# Altium PCB Booster_Main_Board.PcbDoc (part 10 of 11) (continued)
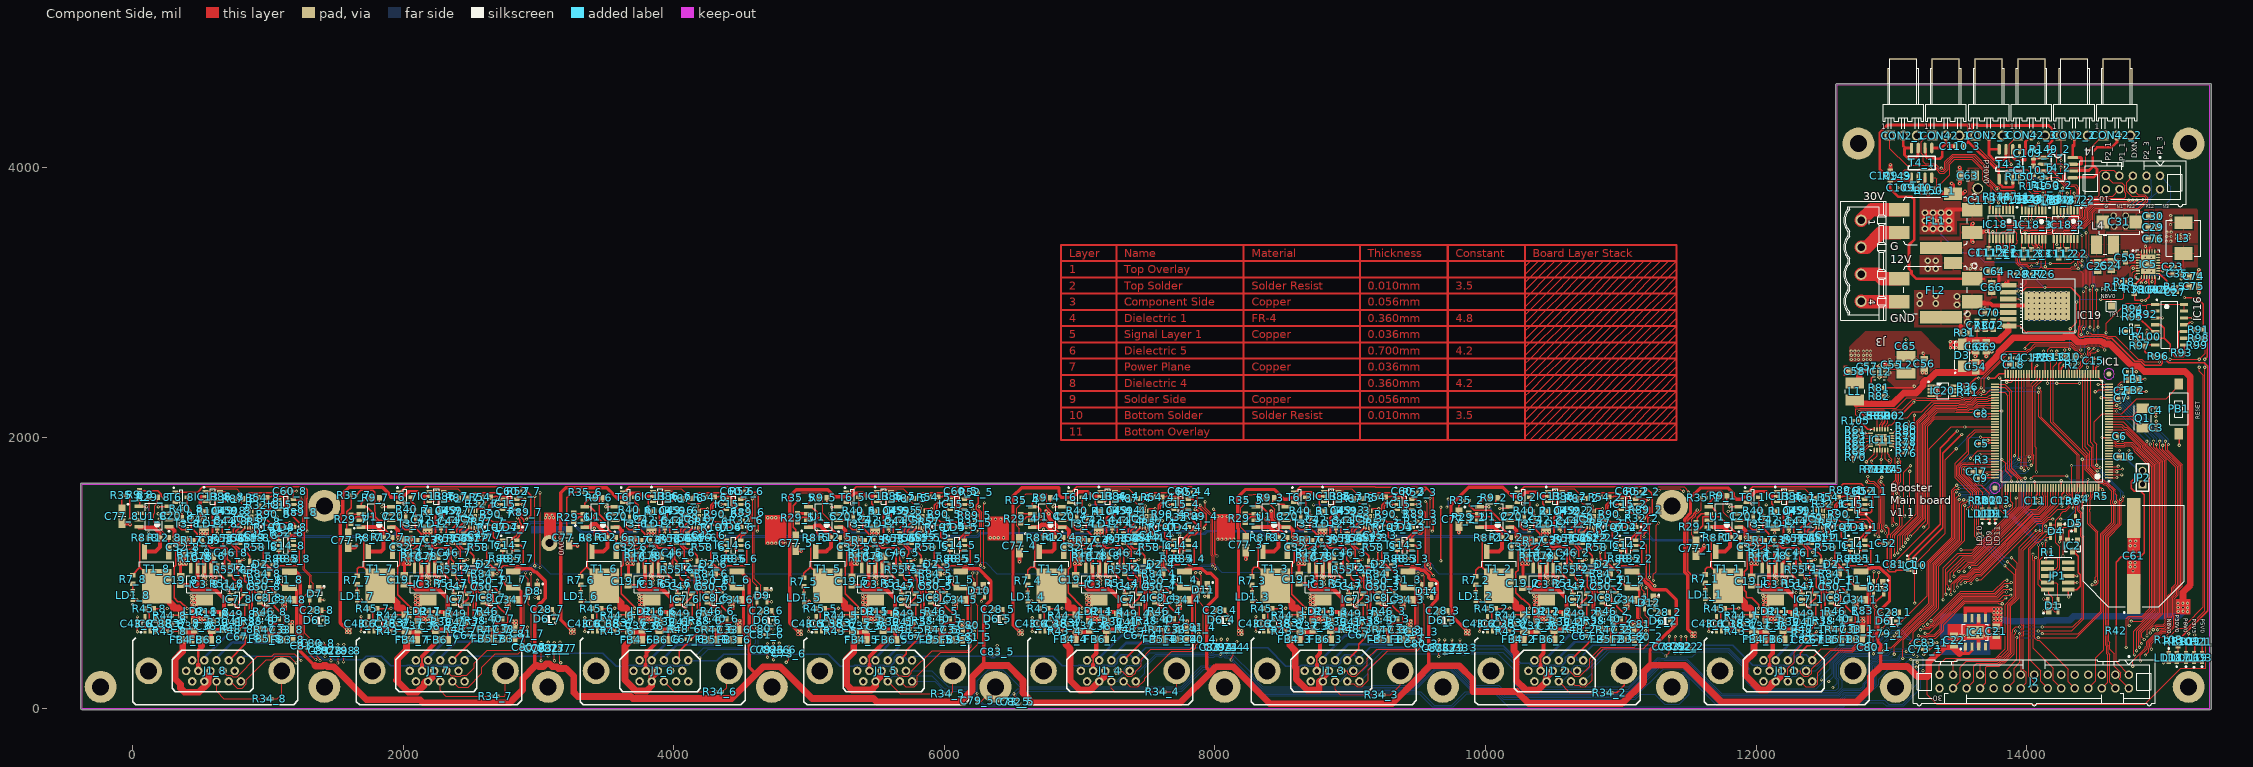
[diagram p0: Component Side view]
## Nets (pads, with @x,y where several pads share a name; then routed paths per layer and width w, separated by ;. In a path a pad name is that pad's centre, name@x,y a point inside that pad or via, vN(x,y) a via of type N, cw(c..) or ccw(c..) an arc to the next point about the centre after c; other vN are vias at no path point) (continued)
PGOOD_N7V5: IC1.57 IC5.8 R25.2 TP1.1 | length 1406.4
  Component Side w6: IC1.57@14136.79,2470.26 14136.79,2557.31 R25.2@14124.02,2570.08 14125.2,2570.08 14153.54,2598.43 14153.54,2647.64 14173.23,2667.32 14261.81,2667.32 14262.94,2668.45 14290.12,2668.45 14291.24,2667.32 14303.37,2667.32 v1(14317.04,2653.65) ; v1(14320.87,2805.12) 14370.08,2854.33 v1(14370.08,3001.97) ; v1(14547.22,3021.65) 14625.97,3021.65 14704.72,3021.65 14716.54,3033.46 14716.54,3122.05 14724.89,3130.4 14753.51,3130.4 14758.78,3135.67 14758.78,3146.15 14770.45,3157.82 14773.07,3157.82 14798.86,3183.61 14798.86,3200.61 IC5.8@14810.96,3212.71 ; TP1.1@14625.98,2972.44 14625.98,3021.63
  Component Side w10: IC5.8@14810.96,3212.71 IC5.8@14822.06,3212.71
  Solder Side w6: v1(14317.04,2653.65) 14317.04,2801.29 v1(14320.87,2805.12) ; v1(14370.08,3001.97) 14370.08,3011.81 14379.92,3021.65 ; 14379.93,3021.65 v1(14547.22,3021.65)
PWM1_1: IC18_1.1 R149_1.1 T4_1.2 | length 1304.9
  Component Side w6: R149_1.1@13088.58,3949.61 13087.6,3950.59 13087.6,3969.49 13098.23,3980.12 13197.64,3980.12 ; T4_1.2@13197.64,3920.28 13197.64,3980.12 ; v1(13291.34,3988.19) 13205.71,3988.19 13197.64,3980.12 ; v1(13368.11,3992.13) 13381.18,3979.06 13394,3991.88 13394,4037.06 13451.43,4094.49 13613.9,4094.49 13717.1,3991.29 13717.1,3917.98 13775.69,3859.39 13788.15,3859.39 13800.34,3847.2 13800.34,3834.74 13805.81,3829.27 13906.95,3829.27 13915.35,3820.87 13915.35,3759.84 13899.51,3744 IC18_1.1@13899.51,3683.07
  Solder Side w6: v1(13291.34,3988.19) 13295.28,3992.13 v1(13368.11,3992.13)
PWM1_2: IC18_2.1 R149_2.1 T4_2.2 | length 671.2
  Component Side w6: 14160.43,4023.82 14221.46,4023.82 ; R149_2.1@14189.76,4132.87 14213.58,4132.87 14221.46,4125 14221.46,4023.82 ; IC18_2.1@14374.9,3681.1 14374.9,3748.55 14386.02,3759.66 14386.02,3848.24 14366.28,3867.97 14305.36,3867.97 14278,3895.32 14278,3994.97 14280,3996.97 14280,4001.4 14257.58,4023.82 14221.46,4023.82
PWM1_3: IC18_3.1 R149_3.1 T4_3.2 | length 676.3
  Component Side w6: T4_3.2@13846.26,3910.43 13846.26,3970.28 13856.3,3980.31 14004.92,3980.31 14017.53,3967.71 14017.53,3885.05 14013.34,3880.86 14013.34,3862.2 14017.28,3858.26 14017.28,3857.82 14055.36,3819.74 14074.8,3819.74 ; R149_3.1@14075.98,3858.27 14075.98,3820.92 14074.8,3819.74 ; IC18_3.1@14139.67,3679.13 14139.91,3679.37 14139.91,3815.71 14127.71,3827.9 14110.47,3827.9 14102.32,3819.74 14074.8,3819.74
PWM2_1: IC18_1.3 R150_1.1 T4_1.4 | length 1045.3
  Component Side w6: T4_1.4@13297.64,3920.28 13324.8,3920.28 13333.66,3911.42 13333.66,3855.12 R150_1.1@13321.85,3843.31 13331.5,3843.31 13430,3941.81 13430,4022.15 13466.34,4058.49 13593.08,4058.49 13675.19,3976.38 13675.19,3903.55 13716.8,3861.94 13722.23,3861.94 13737.3,3846.87 13737.3,3782.48 13747.84,3771.94 13749.5,3771.94 13758.78,3762.65 13764.76,3762.65 13789.37,3738.05 13789.37,3732.28 v1(13792.32,3735.24) ; v1(13848.43,3730.31) 13849.51,3729.23 IC18_1.3@13849.51,3683.07
  Signal Layer 1 w6: v1(13792.32,3735.24) 13797.24,3730.31 v1(13848.43,3730.31)
PWM2_2: IC18_2.3 R150_2.1 T4_2.4 | length 410.8
  Component Side w6: R150_2.1@14164.57,3876.97 14160.43,3881.1 14160.43,3923.82 14212.52,3923.82 14213.48,3922.85 14233.37,3922.85 14234.33,3923.82 14254,3904.15 14254,3885.38 14295.42,3843.97 14307.88,3843.97 14324.9,3826.94 IC18_2.3@14324.9,3681.1
PWM2_3: IC18_3.3 R150_3.1 T4_3.4 | length 348.7
  Component Side w6: T4_3.4@13946.26,3910.43 13987.2,3910.43 14000.82,3896.81 14000.82,3857.99 13996.86,3854.03 13996.86,3842.33 14031.45,3807.74 14083.99,3807.74 14089.67,3802.07 IC18_3.3@14089.67,3679.13
PWR_CH_OVL0: C82_8.1 IC1.59 J1_8.3 R34_8.1 | length 17388
  Component Side w6: J1_8.3@620.08,197.64 620.08,124.92 675,70 R34_8.1@991.5,70 ; v1(1466,350) C82_8.1@1466,406.28 ; v1(12943,425) 12966.15,448.15 12996.81,448.15 13213.47,664.81 13216.72,664.81 13312,760.09 13312,1064.12 13494,1246.12 13494,1538 13501,1538 v1(13501,1542) ; v1(14033,1795) 14049,1811 14049,1841.6 14051.49,1844.09 14051.49,1871.27 14046.19,1876.57 14046.19,2379.19 14097.42,2430.42 IC1.59@14097.42,2470.26
  Signal Layer 1 w6: J1_8.3@600.71,196.5 J1_8.3@610.39,206.18 ; J1_8.3@620.08,196.5 657.53,233.95 689.12,233.95 693.3,238.13 726.85,238.13 729.89,235.09 779.12,235.09 782.16,238.13 916.09,238.13 930.01,224.22 949.75,224.22 1018.95,155.02 1151.7,155.02 1293.27,296.59 1412.59,296.59 v1(1466,350) 1470.81,354.81 1525.62,354.81 1537.81,342.62 1537.81,333.76 1741.08,130.49 2387.68,130.49 2391.19,134 2647.09,134 2758.12,22.97 3175.94,22.97 3245.98,93 4480.48,93 4588.75,201.27 4588.75,207.75 4664.19,283.19 4670.36,283.19 4597.3,210.13 4597.3,104.83 4671.76,30.37 4777.06,30.37 4851.52,104.83 4851.52,210.13 4797.62,264.03 4818.17,264.03 5012.21,70 6162.03,70 6209.06,22.97 6431.97,22.97 6438.19,29.19 6438.19,32.62 6475.57,70 7764.56,70 7895.83,201.27 7895.83,231.01 7964.82,300 8061.4,300 8076.81,284.59 8161.44,284.59 8206,240.03 8206,201.8 8339.8,68 9475.97,68 9521,22.97 11024.62,22.97 11202.92,201.27 11202.92,201.89 11297.62,296.59 11438.39,296.59 11664.98,70 12485,70 v1(12567,152)
  Solder Side w6: v1(12567,152) 12598.43,183.43 12598.43,207.64 12584.91,221.15 12584.91,330.03 12661.9,407.02 12841.36,407.02 12857.97,423.62 12875.21,423.62 12884.02,414.81 12932.81,414.81 v1(12943,425) ; v1(13501,1542) 13527.81,1568.81 13696.81,1568.81 13916.62,1788.62 13942.19,1788.62 13951,1797.43 14030.57,1797.43 v1(14033,1795)
PWR_CH_OVL1: C82_7.1 IC1.60 J1_7.3 R34_7.1 | length 15422.9
  Component Side w6: J1_7.3@2273.62,197.64 2273.62,131.38 2315,90 R34_7.1@2661.5,90 ; C82_7.1@3117,424.28 3117,352 v1(3118,351) ; v1(12998,511) 13000.19,513.19 13044.88,513.19 13208.5,676.81 13211.75,676.81 13300,765.06 13300,1069.09 13480.19,1249.28 13480.19,1555.19 v1(13503,1578) ; v1(14020,1826) 14020,1829.57 14039.49,1849.06 14039.49,1866.3 14034.19,1871.6 14034.19,2396.19 14077.73,2439.73 IC1.60@14077.73,2470.26
  Signal Layer 1 w6: J1_7.3@2273.62,197.64 2299.08,223.09 2331.81,223.09 2346.85,238.13 2380.4,238.13 2383.44,235.09 2433.81,235.09 2436.85,238.13 2584.56,238.13 2587.6,235.09 2596.91,235.09 2703,129 2885,129 2918,162 2918,218.32 3008.27,308.59 3075.59,308.59 v1(3118,351) 3123.81,356.81 3173.62,356.81 3196.7,333.74 3196.7,245.35 3313.05,129 4465.57,129 4552.75,216.18 4552.75,222.66 4650.68,320.59 4668.07,320.59 4669.47,319.19 4713.44,319.19 4719.44,313.19 4756.56,313.19 4763.96,320.59 4804.01,320.59 4817.41,307.19 4825.93,307.19 5027.12,106 6124.06,106 6218.22,200.16 6218.22,225.91 6300.9,308.59 6440.54,308.59 6545,204.14 6545,165.97 6604.97,106 7749.65,106 7859.83,216.18 7859.83,245.92 7949.91,336 8076.31,336 8089.12,323.19 8132.59,323.19 8141.27,331.87 8141.56,331.87 8145.69,336 8164,336 8242,258 8242,216.71 8354.71,104 9418.1,104 9533.93,219.83 9533.93,220.07 9622.45,308.59 9747.63,308.59 9952.22,104 11054.74,104 11166.92,216.18 11166.92,216.8 11282.71,332.59 11453.3,332.59 11676.89,109 12450.77,109 12536,194.23 v1(12536,198)
  Solder Side w6: v1(12536,198) 12572.91,234.91 12572.91,335 12656.93,419.02 12836.39,419.02 12853,435.62 12880.18,435.62 12888.99,426.81 12899.81,426.81 12984,511 v1(12998,511) ; v1(13503,1578) 13505.81,1580.81 13690.81,1580.81 13910.62,1800.62 13925.62,1800.62 13942.32,1817.32 14011.32,1817.32 v1(14020,1826)
PWR_CH_OVL2: C82_6.1 IC1.63 J1_6.3 R34_6.1 | length 13509.1
  Component Side w6: J1_6.3@3927.17,197.64 4004.8,120 R34_6.1@4321.5,120 ; C82_6.1@4736,414.28 4736,360 v1(4738,358) ; v1(13039,557) 13045.84,563.84 13061.59,563.84 13198.56,700.81 13201.81,700.81 13276,775 13276,1079.03 13456.19,1259.22 13456.19,1604.62 13471.38,1619.81 13495.81,1619.81 v1(13500,1624) ; v1(14018.68,1857.68) IC1.63@14018.68,2470.26
  Signal Layer 1 w6: J1_6.3@3927.17,197.64 3930.31,197.64 3970.81,157.14 4033.94,157.14 4057.66,180.86 4057.66,205.4 4090.39,238.13 4140.8,238.13 4210.77,168.17 4453.82,168.17 4516.75,231.09 4516.75,237.57 4635.77,356.59 4682.98,356.59 4684.38,355.19 4701.62,355.19 4707.24,360.81 4839.62,360.81 4851.81,348.62 4851.81,332.22 5038.89,145.14 6112.29,145.14 6182.22,215.07 6182.22,300.82 6225.99,344.59 6455.46,344.59 6581,219.05 6581,185.11 6620.96,145.14 7737.88,145.14 7823.83,231.09 7823.83,260.83 7953.19,390.19 7987.59,390.19 7994.89,397.49 8012.08,397.49 8031.38,378.19 8048.62,378.19 8053.62,383.19 8098.59,383.19 8112.89,397.49 8124.59,397.49 8150.08,372 8181,372 8278,275 8278,231.62 8368.62,141 9404.18,141 9497.93,234.75 9497.93,234.98 9607.54,344.59 9762.54,344.59 9966.13,141 11040.83,141 11130.92,231.09 11130.92,231.71 11267.8,368.59 11286.16,368.59 11324.38,406.81 11341.62,406.81 11379.84,368.59 11468.21,368.59 11691.66,145.14 12436,145.14 12466.75,175.89 12466.75,193.75 v1(12482,209)
  Solder Side w6: v1(12482,209) 12482,227.04 12548.91,293.96 12548.91,344.94 12646.99,443.02 12826.45,443.02 12843.05,459.62 12883.02,459.62 12949.81,526.41 12949.81,532.81 12962,545 12991.43,545 13003.43,557 v1(13039,557) ; v1(13500,1624) 13497,1627 13700,1627 13931.94,1858.94 14017.42,1858.94 v1(14018.68,1857.68)
PWR_CH_OVL3: C82_5.1 IC1.64 J1_5.3 R34_5.1 | length 11948.3
  Component Side w6: J1_5.3@5580.71,197.64 5673.35,105 R34_5.1@6006.5,105 ; v1(6514,106) 6514,97.27 6540,71.27 C82_5.1@6540,64.72 ; v1(13137,470) 13137,484 13162.57,509.57 13162.57,563 13228.38,628.81 13237.38,628.81 13348,739.43 13348,1049.21 13541.19,1242.4 13541.19,1498.19 v1(13542,1499) ; IC1.64@13998.99,2470.26 14002.81,2466.44 14002.81,1871.24 13997.87,1866.3 13997.87,1787.13 v1(14013,1772)
  Solder Side w6: J1_5.3@5580.71,197.64 5618.16,235.09 5650.89,235.09 5653.93,238.13 5687.48,238.13 5690.52,235.09 5740.89,235.09 5743.93,238.13 5905.87,238.13 5998.86,145.14 6186.83,145.14 6221.19,110.78 6221.19,100.38 6291.2,30.37 6430.6,30.37 6506.23,106 v1(6514,106) 6514,115.14 6544,145.14 7754.85,145.14 7910.71,301 8140.74,301 8338.74,103 9163.97,103 9181.14,120.17 9521.93,120.17 9619.13,22.97 9750.95,22.97 9848.15,120.17 10076.92,120.17 10130.09,67 11107.71,67 11145.54,104.83 11250.84,104.83 11325.3,30.37 11430.6,30.37 11505.06,104.83 11505.06,210.13 11448.62,266.58 11466.63,266.58 11710.02,23.19 12640.33,23.19 12671.17,54.03 12799.85,54.03 12805.82,60 12949.22,60 12978.85,30.37 13084.15,30.37 13158.61,104.83 13158.61,146.61 13194.81,182.81 13194.81,282.6 13207.4,295.19 13221.62,295.19 13233.81,307.38 13233.81,365.62 13195.62,403.81 13190.19,403.81 13154.81,439.19 13154.81,448.62 13137,466.43 v1(13137,470) ; v1(13542,1499) 13677.91,1499 13919.91,1741 13948,1741 13953.81,1735.19 13990.62,1735.19 14013,1757.57 v1(14013,1772)
PWR_CH_OVL4: C82_4.1 IC1.65 J1_4.3 R34_4.1 | length 9734.1
  Component Side w6: J1_4.3@7234.25,197.64 7234.25,145.75 7260,120 R34_4.1@7591.5,120 ; v1(8086,407) 8086,413 8089,416 8092,413 C82_4.1@8092,433.28 ; v1(13084,368) 13084,370 13083,371 13083,430.43 13086.74,434.17 13086.74,504.14 13223.41,640.81 13232.41,640.81 13336,744.4 13336,1054.18 13518,1236.18 13518,1504.43 13533.38,1519.81 13550.81,1519.81 v1(13567,1536) ; IC1.65@13979.31,2470.26 13980.43,2469.13 13980.43,1768 13979.31,1766.88 13979.31,1758.69 v1(13982,1756)
  Solder Side w6: J1_4.3@7214.88,197.64 J1_4.3@7234.25,197.64 7283.04,197.64 7283.76,198.36 7283.76,214.41 7328.83,259.49 7328.83,292.36 7352.56,316.09 7394.44,316.09 7397.48,313.05 7431.03,313.05 7454.75,336.77 7454.75,347.65 7518.1,411 7956.57,411 7965.38,402.19 7982.62,402.19 8000.24,419.81 8108.16,419.81 8127.49,400.49 8278.53,249.44 8278.53,231.09 8352.48,157.14 9148.45,157.14 9159.47,168.17 9465.05,168.17 9617.48,320.59 9752.6,320.59 9905.03,168.17 10096.8,168.17 10149.97,115 11065.74,115 11279.93,329.19 11471.9,329.19 11729.9,71.19 12620.44,71.19 12656.25,107 12784.94,107 12828.31,150.37 12828.31,150.79 12863.23,185.71 12863.23,314.6 12870.63,322 12900.06,322 12920.87,342.81 13056.81,342.81 13082,368 v1(13084,368) ; v1(13567,1536) 13697.94,1536 13917.75,1755.81 13981.81,1755.81 v1(13982,1756)
PWR_CH_OVL5: C82_3.1 IC1.66 J1_3.3 R34_3.1 | length 7860
  Component Side w6: J1_3.3@8887.8,197.64 8887.8,137.2 8925,100 R34_3.1@9211.5,100 ; C82_3.1@9752,429.28 9771.28,429.28 v1(9781,439) ; v1(13021,399) 13021,455.37 13218.44,652.81 13222.81,652.81 13324,754 13324,1059.15 13506,1241.15 13506,1513 v1(13534,1541) ; v1(13959.62,1776.62) 13959.62,1827.32 13961.81,1829.51 13961.81,2468.07 IC1.66@13959.62,2470.26
  Solder Side w6: J1_3.3@8887.8,197.64 8927.36,197.64 8937.3,207.58 8937.3,214.41 8982.38,259.49 8982.38,292.36 9006.1,316.09 9047.98,316.09 9051.02,313.05 9084.57,313.05 9086.27,314.75 9086.82,314.75 9209.88,437.81 10135.19,437.81 10250,323 10250,185.97 10278.83,157.14 11056.97,157.14 11273.83,374 11291.57,374 11296.98,368.59 11320.98,368.59 11324.38,365.19 11486.81,365.19 11744.81,107.19 12605.53,107.19 12642.51,144.17 12770.85,144.17 12790,163.32 12790,180.36 12827.23,217.59 12827.23,329.52 12855.72,358 12885.15,358 12905.96,378.81 13000.81,378.81 v1(13021,399) ; v1(13534,1541) 13549.81,1556.81 13701.78,1556.81 13921.59,1776.62 v1(13959.62,1776.62)
PWR_CH_OVL6: C82_2.1 IC1.67 J1_2.3 R34_2.1 | length 5897.2
  Component Side w6: J1_2.3@10541.34,197.64 10623.98,115 R34_2.1@10896.5,115 ; C82_2.1@11488,439.28 11515.47,439.28 v1(11519,442.81) ; v1(13020,534) 13048.72,534 13203.53,688.81 13206.78,688.81 13288,770.03 13288,1074.06 13468.19,1254.25 13468.19,1587.19 v1(13480,1599) ; IC1.67@13939.94,2470.26 13939.94,1837.06 v1(13941,1838.13)
  Solder Side w6: J1_2.3@10521.97,197.64 J1_2.3@10541.34,197.64 10565.74,197.64 10635.92,267.82 10635.92,292.36 10659.64,316.09 10701.52,316.09 10704.56,313.05 10736.17,313.05 10744.59,304.63 10882.77,442.81 v1(11519,442.81) 11798.16,442.81 11950,290.97 11950,206.97 12013.78,143.19 12445.62,143.19 12560.91,258.48 12560.91,339.97 12651.96,431.02 12831.42,431.02 12848.03,447.62 12901.62,447.62 12987,533 13019,533 v1(13020,534) ; v1(13480,1599) 13686,1599 13700,1613 13705,1613 13904.62,1812.62 13915.5,1812.62 v1(13941,1838.13)
PWR_CH_OVL7: C82_1.1 IC1.68 J1_1.3 R34_1.1 | length 3744.6
  Component Side w6: J1_1.3@12234.25,197.64 12234.25,294.25 12280,340 12280,415 12366.5,501.5 R34_1.1@12366.5,545 ; v1(12931,590) 12960.41,619.41 13052.41,619.41 13264,831 13264,1084 13444.19,1264.19 13444.19,1610.19 v1(13482,1648) ; v1(13909,1866) 13909,1868 13920.25,1879.25 IC1.68@13920.25,2470.26
  Solder Side w6: J1_1.3@12234.25,197.64 12271.71,235.09 12296.1,235.09 12328.83,267.82 12328.83,292.36 12352.56,316.09 12386.1,316.09 12389.14,313.05 12456.05,313.05 12622.02,479.02 12811.54,479.02 12922.52,590 v1(12931,590) ; v1(13482,1648) 13689,1648 13907,1866 v1(13909,1866)
RST: D5.2 IC1.25 IC1.134 JP1.10 PB1.1 R6.2 | length 2161.3
  Component Side w6: v1(14145,1113) 14145,1086.23 JP1.10@14153.23,1078 ; v1(14268,1125) 14270.81,1127.81 14270.81,1334.81 14273.46,1337.46 14309.9,1337.46 14335.07,1362.63 ; v1(14331,1793) 14333.64,1790.36 IC1.134@14333.64,1627.74 ; 14335.07,1365.72 14335.07,1362.63 ; R6.2@14343,1548.5 14349,1542.5 14349,1531.91 14358.93,1531.91 14364.2,1526.64 14364.2,1488.01 14363.81,1487.62 14363.81,1445.47 14360.24,1441.9 D5.2@14360.24,1419.29 14360.24,1387.8 14335.07,1362.63 ; v1(14517,1796) 14517,1950 14498,1969 14498,2118 14556.95,2176.95 IC1.25@14607.26,2176.95 14608.39,2175.83 14701.83,2175.83 14813,2287 15030,2287 PB1.1@15117,2374
  Component Side w10: IC1.134@14333.64,1627.74 14334.81,1626.57 14334.81,1556.69 R6.2@14343,1548.5
  Solder Side w6: v1(14145,1113) 14256,1113 v1(14268,1125) ; v1(14331,1793) 14334,1796 v1(14517,1796)
SIG_ON_CH0: IC1.93 R50_8.1 R84_8.2 | length 15052.7
  Component Side w6: v1(13172,777) 13172.43,777.43 13172.43,1065.43 13399,1292 13399,1836.97 v1@13479.51,1917.49 ; v1(13658,2002.59) 13761.94,2002.59 IC1.93@13764.74,1999.79
  Component Side w10: R84_8.2@1002.5,992 1002.5,948.99 R50_8.1@994.5,941 v1(1031,941)
  Signal Layer 1 w6: v1(1031,941) 1197,941 1373,1117 2292,1117 2340,1069 2509,1069 2620,958 2761,958 2823.81,1020.81 2957.79,1020.81 2958.41,1020.19 2960.65,1020.19 2973.65,1007.19 3025.59,1007.19 3028.4,1010 3460,1010 3565.95,1115.95 3991.05,1115.95 4029,1078 4161,1078 4308,931 4504.97,931 4608.97,1035 5051,1035 5147,1131 5678.49,1131 5686.73,1139.24 5703.97,1139.24 5712.2,1131 5874.03,1131 5915,1090.03 5915,962.72 5974.72,903 6021,903 6022,904 6085.57,904 6259.38,1077.81 6265.81,1077.81 6301,1113 6889.88,1113 6955.55,1047.33 7018.79,1047.33 7049.46,1078 7456,1078 7464,1086 7521.43,1086 7542.28,1065.15 7683.03,1065.15 7746.88,1129 7860.88,1129 7891.88,1160 7980.4,1160 7983.21,1157.19 8178.21,1157.19 8181.02,1160 8463,1160 8508.05,1114.95 8606.1,1114.95 8607.1,1115.95 8624.34,1115.95 8625.34,1114.95 8672.34,1114.95 8690.1,1097.19 8766.81,1097.19 8788,1076 8953,1076 9043,986 9239,986 9311,1058 9507,1058 9577,1128 10074,1128 10239,963 10239.09,963 10242.09,960 10349.88,960 10400.88,1011 10544.03,1011 10587.22,967.81 10697.62,967.81 10788.1,877.33 10875.33,877.33 10961.33,963.33 11177.9,963.33 11205.38,990.81 11227.92,990.81 11250.43,968.29 11426.73,968.29 11448.84,990.4 11506.63,990.4 11521.05,975.98 11727.64,975.98 11742.47,990.81 11811.25,990.81 11873.06,929 12007.09,929 12103.09,833 12243.57,833 12286.38,875.81 12307.16,875.81 12341.64,841.33 12403,841.33 12415,829.33 12565.27,829.33 12589.94,854 12728,854 12805,777 v1(13172,777)
  Solder Side w6: v1(13479,1918) 13563.59,2002.59 v1(13658,2002.59)
SIG_ON_CH1: IC1.124 R50_7.1 R84_7.2 | length 13158
  Component Side w6: v1(13438,840) 13438,860 13441,863 13441,870.57 13443.81,873.38 13443.81,916.81 13515,988 13555,988 13606.31,1039.31 13640,1039.31 14046.69,1446 14089.94,1446 14142,1498.06 14142,1568 14136.79,1573.21 IC1.124@14136.79,1627.74
  Component Side w10: R50_7.1@2648.05,942.14 2656.04,950.13 R84_7.2@2656.04,993.14 2656.18,993 v1(2693,993)
  Signal Layer 1 w6: v1(2693,993) 2730,993 2790,1053 2870,1053 2956.95,1139.95 3856.35,1139.95 3890.35,1173.95 3894.71,1173.95 3903.66,1165 4096.57,1165 4105.38,1173.81 4122.62,1173.81 4131.43,1165 4159.03,1165 4304,1020.03 4304,979 4326.81,956.19 4393.97,956.19 4469.78,1032 4563,1032 4590,1059 5035,1059 5162.33,1186.33 5367.25,1186.33 5367.92,1187 5410.06,1187 5410.19,1187.13 5410.19,1187.62 5422.38,1199.81 5440.76,1199.81 5466.38,1174.19 5483.62,1174.19 5488.19,1178.76 5488.19,1182.62 5501.38,1195.81 5531.53,1195.81 5538.15,1189.19 5634.08,1189.19 5667.84,1222.95 5822.14,1222.95 5939,1106.09 5939,972.66 5983.66,928 6075.63,928 6284.63,1137 7042.66,1137 7071.33,1108.33 7215.33,1108.33 7248.33,1141.33 7327.33,1141.33 7355.81,1169.81 7494.34,1169.81 7575,1089.15 7673.09,1089.15 7736.94,1153 7850.94,1153 7881.94,1184 7990.34,1184 7993.15,1181.19 8168.27,1181.19 8171.08,1184 8479.03,1184 8523.08,1139.95 8634.28,1139.95 8635.28,1138.95 8682.28,1138.95 8700.04,1121.19 8787.84,1121.19 8804.03,1105 8966.03,1105 8989.03,1082 9035.03,1082 9064.03,1053 9135.4,1053 9154.21,1034.19 9233.16,1034.19 9309.3,1110.33 9456.51,1110.33 9459.63,1113.45 9500.39,1113.45 9539.94,1153 10083.03,1153 10252.03,984 10339.94,984 10393.94,1038 10554,1038 10600.19,991.81 10732.82,991.81 10767.44,957.19 10813.76,957.19 10819.38,962.81 10860.72,962.81 10885.24,987.33 11167.96,987.33 11195.44,1014.81 11237.86,1014.81 11260.38,992.29 11416.79,992.29 11439.31,1014.81 11452.63,1014.81 11453.04,1014.4 11516.57,1014.4 11531,999.98 11717.7,999.98 11732.53,1014.81 11821.19,1014.81 11883,953 12017.03,953 12113.03,857 12233.63,857 12276.44,899.81 12317.1,899.81 12351.58,865.33 12412.94,865.33 12424.94,853.33 12553.73,853.33 12557.04,856.64 12558.64,856.64 12580,878 12739,878 12795.81,821.19 12963.5,821.19 12964.75,822.43 13390,822.43 13390.43,822 13420,822 v1(13438,840)
SIG_ON_CH2: IC1.125 R50_6.1 R84_6.2 | length 11368.1
  Component Side w6: v1(13466,867) 13466,922.03 13519.97,976 13559.97,976 13611.28,1027.31 13644.97,1027.31 14049.66,1432 14092.91,1432 14156.47,1495.56 IC1.125@14156.47,1627.74
  Component Side w10: R50_6.1@4301.59,942.14 4309.58,950.13 R84_6.2@4309.58,993.14 4313.72,989 v1(4349,989)
  Signal Layer 1 w6: v1(4349,989) 4374,989 4441,1056 4527,1056 4556,1085 5007.97,1085 5219.92,1296.95 5387.22,1296.95 5439.11,1245.06 5558.11,1245.06 5558.98,1244.19 5613.25,1244.19 5619.01,1249.95 5829.08,1249.95 5966.05,1112.98 5966.05,979.55 5989.6,956 6069.69,956 6274.69,1161 7052.6,1161 7081.27,1132.33 7205.33,1132.33 7238.33,1165.33 7317.27,1165.33 7386.89,1234.95 7473.76,1234.95 7593.03,1115.69 7665.69,1115.69 7727,1177 7841,1177 7873,1209 7999.28,1209 8003.09,1205.19 8158.32,1205.19 8162.14,1209 8492,1209 8537.05,1163.95 8644.22,1163.95 8645.22,1162.95 8692.22,1162.95 8708.98,1146.19 8751.59,1146.19 8756.01,1150.61 8761.44,1145.19 8800.41,1145.19 8815.6,1130 8864,1130 8887,1153 9003,1153 9077.67,1078.33 9099.34,1078.33 9108.82,1087.81 9247.81,1087.81 9294.33,1134.33 9446.57,1134.33 9449.69,1137.45 9490.45,1137.45 9530,1177 10095,1177 10264,1008 10330,1008 10387,1065 10562,1065 10611.19,1015.81 10742.76,1015.81 10777.38,981.19 10803.82,981.19 10809.44,986.81 10850.78,986.81 10880.97,1017 10971.97,1017 10977.64,1011.33 11158.02,1011.33 11185.5,1038.81 11247.8,1038.81 11270.32,1016.29 11406.85,1016.29 11429.37,1038.81 11462.57,1038.81 11462.98,1038.4 11526.51,1038.4 11540.94,1023.98 11707.76,1023.98 11722.59,1038.81 11836.19,1038.81 11896,979 12032.03,979 12130.03,881 12223.69,881 12268.69,926 12352.6,926 12356.41,922.19 12383.59,922.19 12387.4,926 12434,926 12482.67,877.33 12543.79,877.33 12568.46,902 12755,902 12811.81,845.19 12953.56,845.19 12966.37,858 13387.95,858 13394.14,864.19 13411.38,864.19 13414.38,861.19 13431.62,861.19 13437.43,867 v1(13466,867)
SIG_ON_CH3: IC1.126 R50_5.1 R84_5.2 | length 9351.2
  Component Side w6: v1(13488,895) 13488,927.06 13524.94,964 13564.94,964 13616.25,1015.31 13649.94,1015.31 14054.63,1420 14098,1420 14176.16,1498.16 IC1.126@14176.16,1627.74
  Component Side w10: R50_5.1@5955.13,942.14 5963.13,950.13 R84_5.2@5963.13,993.14 v1(5998.86,993.14)
  Signal Layer 1 w6: v1(5998.86,993.14) 6044.57,993.14 6121.81,1070.38 6121.81,1085.21 6222.93,1186.33 7020.79,1186.33 7035.07,1200.61 7103.85,1200.61 7109.19,1195.26 7109.19,1191.38 7121.38,1179.19 7138.62,1179.19 7148.76,1189.33 7175.1,1189.33 7219.33,1189.33 7236,1206 7324,1206 7376.95,1258.95 7483.7,1258.95 7602.66,1140 7650,1140 7720,1210 7822,1210 7854,1242 8000.22,1242 8013.03,1229.19 8148.38,1229.19 8161.19,1242 8512,1242 8566.05,1187.95 8656.62,1187.95 8657.38,1187.19 8688.19,1187.19 8688.43,1186.95 8702.16,1186.95 8702.3,1186.82 8716.39,1186.82 8729.38,1199.81 8746.62,1199.81 8758.81,1187.62 8758.81,1181.76 8771.38,1169.19 8788.62,1169.19 8796.19,1176.76 8796.19,1183.62 8808.38,1195.81 8831.62,1195.81 8841.48,1185.95 9009.62,1185.95 9063.62,1131.95 9138.05,1131.95 9158.19,1111.81 9230.78,1111.81 9277.3,1158.33 9436.63,1158.33 9439.75,1161.45 9480.45,1161.45 9530,1211 9998.16,1211 10003.56,1205.61 10080.44,1205.61 10085.84,1211 10095,1211 10272,1034 10314,1034 10370.81,1090.81 10616.59,1090.81 10630.4,1077 10703,1077 10721,1059 10773,1059 10792,1040 10862,1040 10891,1069 11077,1069 11100,1046 11158,1046 11175,1063 11257.55,1063 11280.26,1040.29 11396.91,1040.29 11419.62,1063 11472.32,1063 11472.92,1062.4 11536.46,1062.4 11550.88,1047.98 11697.82,1047.98 11712.84,1063 11859,1063 11919,1003 12032.03,1003 12046.03,1017 12249.97,1017 12263.02,1003.95 12298.05,1003.95 12322.19,979.81 12433.19,979.81 12455,958 12494,958 12516,980 12601,980 12628,953 12769,953 12852.81,869.19 12943.62,869.19 12956.43,882 13272,882 13292.81,902.81 13447,902.81 13454.81,895 v1(13488,895)
SIG_ON_CH4: IC1.127 R50_4.1 R84_4.2 | length 7692.6
  Component Side w6: v1(13514,919) 13514,930 13536,952 13569.91,952 13621.22,1003.31 13654.91,1003.31 14055.6,1404 14098.97,1404 14195.84,1500.87 IC1.127@14195.84,1627.74
  Component Side w10: R50_4.1@7608.68,942.14 7616.67,950.13 R84_4.2@7616.67,993.14 7618.81,991 7624,996.19 7606.78,1013.41 7606.78,1084.37 7622,1099.59 v1(7622,1170)
  Signal Layer 1 w6: v1(7622,1170) 7622,1200.4 7658.6,1237 7818,1237 7851.81,1270.81 8353.78,1270.81 8370.44,1254.15 8437.12,1254.15 8489.92,1306.95 8692.08,1306.95 8759.03,1240 8863.48,1240 8863.64,1239.84 8915.99,1239.84 8926.1,1249.95 8963.4,1249.95 9001.35,1212 9050,1212 9101,1161 9136,1161 9173.19,1123.81 9225.81,1123.81 9272.33,1170.33 9431.66,1170.33 9434.78,1173.45 9469.39,1173.45 9520.94,1225 10001.13,1225 10008.53,1217.61 10075.47,1217.61 10082.87,1225 10135,1225 10241,1119 10612,1119 10637,1094 10704,1094 10724,1074 10780,1074 10800,1054 10848,1054 10877,1083 11090,1083 11113.17,1059.83 11135.38,1059.83 11154.51,1078.95 11258.57,1078.95 11285.23,1052.29 11391.94,1052.29 11418.6,1078.95 11473.34,1078.95 11477.89,1074.4 11541.43,1074.4 11555.85,1059.98 11692.85,1059.98 11711.82,1078.95 11876.05,1078.95 11935.81,1019.19 12031.25,1019.19 12041.06,1029 12254.94,1029 12264.75,1019.19 12311.81,1019.19 12339.19,991.81 12445.76,991.81 12467.38,970.19 12484.62,970.19 12514.43,1000 12620,1000 12651,969 12776,969 12851,894 12909.57,894 12926.38,910.81 12943.62,910.81 12960.43,894 13265.97,894 13290.97,919 v1(13514,919)